# KiCad board Beacon_Multiboard_Stencil.kicad_pcb (continued)
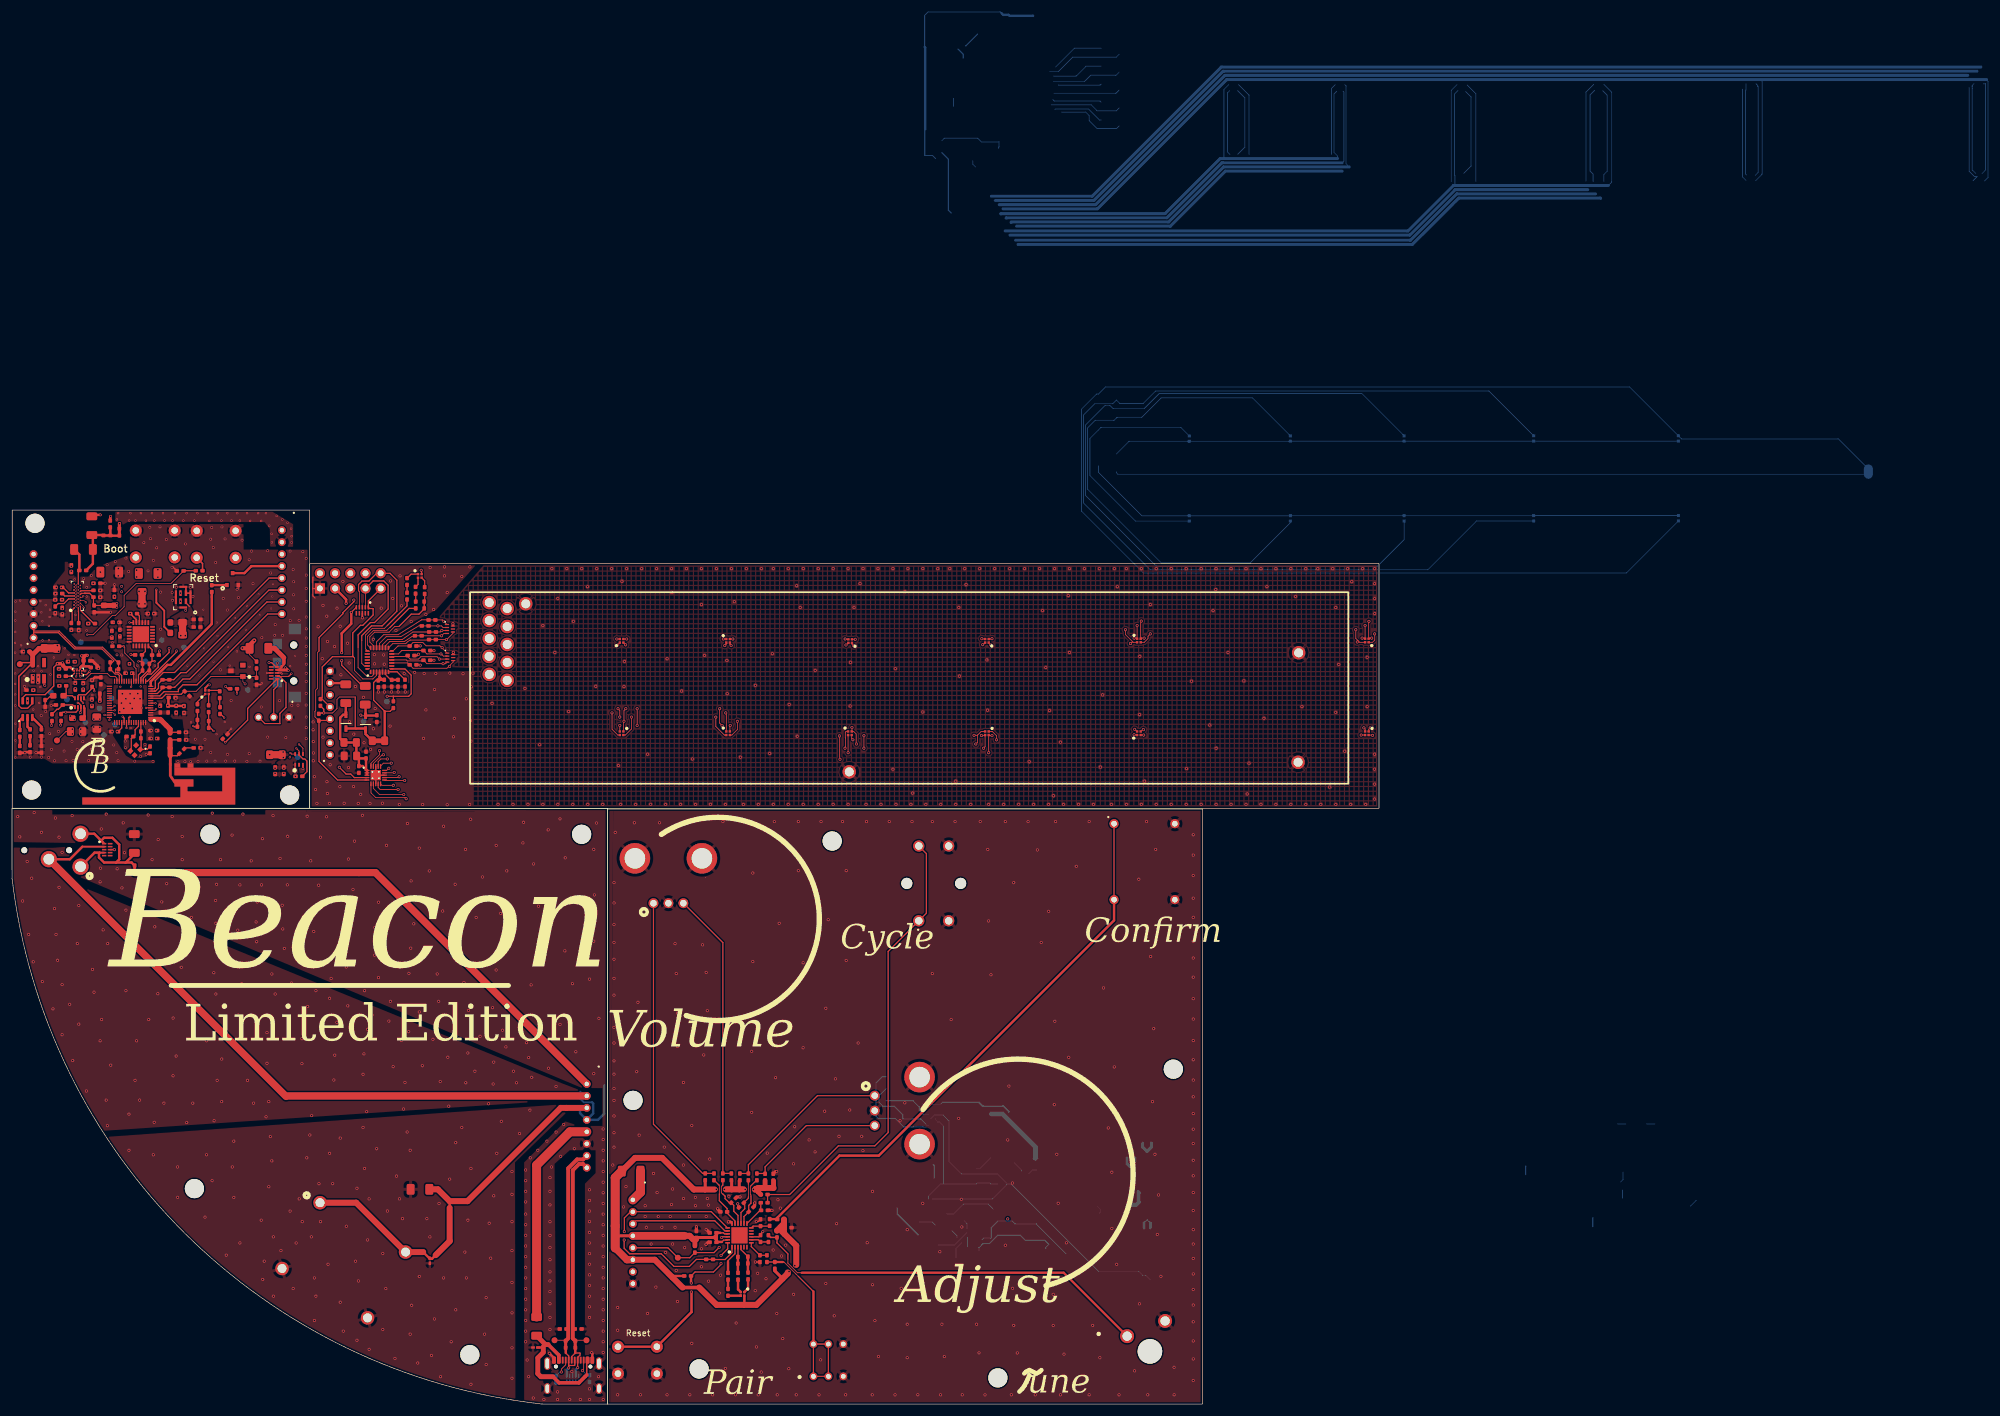
[diagram p0: board, top side]
## Routing (per net, layer and track width the routed paths; a pad name or vN(x,y) marks a point on that pad's centre or on a via; arc(x,y) is an arc through that point) (continued)
/Tactile_Board/+3V3_EXT: length 5.3
  Top w1.5: J104.1 105.04,35.39 F301.1
GND: length 381
  Top w0.13: 2.27,108.95 v2(2.16,108.85) 2.15,108.84 ; R508.1 36.02,112.25 v3(36.63,112.86) ; C610.2 13.59,148.6 ; 73.7,130.21 D416.7 ; v2(29.03,132.65) 29.03,132.71 ; C1406.1 121.14,34.61 ; v2(37.62,136.15) 37.82,136.36 Q1301.S ; 73.75,125.41 73.75,125.26 D418.7 ; v1(116,29.12) 116.1,29.12 ; 15.54,137.17 v2(15.57,137.19) ; v1(127.79,38.88) 127.63,38.88 ; 4.03,108.86 v2(4.01,108.87)
  Top w0.2: C406.1 67.65,123.49 v1(68.23,123.49) ; C533.1 2.08,119.66 v2(2.08,119.95) ; R503.1 7.26,116.75 v2(6.55,116.75) ; v1(124.23,23.74) 124.99,23.74 C1403.1 ; v2(22.43,108.57) 22.88,108.57 C710.1 ; J410.1 J410.2 5.75,117.66 6.46,118.37 R504.1 ; U401.EP 60.8,105.1 U401.8 ; U401.EP 60.8,105.11 U401.18 ; U401.EP 60.81,105.09 U401.13 ; U1501.9 124.82,27.95 C1404.1 125.1,28.41 v1(125.48,28.79) ; v3(42.65,122.19) D507.8 ; 50.28,136.32 50.28,138.18 50.3,138.2 ; 50.28,136.32 50.28,135.08 50.63,134.72 ; 50.28,136.32 50.3,136.3 51.47,136.3 ; C1407.1 121.29,33.05 v1(121.29,33.47) ; C413.1 67.6,126.71 v1(68.23,126.71) ; v3(45.09,122.06) 44.96,122.19 D507.3 ; C412.1 69.93,125.91 v1(70.53,125.91) ; R510.1 41.53,120.23 v3(41.76,120.46) ; v3(12.17,122.54) 11.65,122.54 PS502.D2 ; v1(124.39,30.5) 124.72,30.5 C1402.1 ; v1(117.94,32.66) 117.94,32.57 ; v2(18.92,110.8) 18.92,111.34 C711.1 ; 124.13,33.14 C1408.1 ; v1(70.53,124.31) C410.1
  Top w0.25: C801.1 26.94,139.84 v2(26.74,139.84) ; C411.1 67.72,125.09 v1(67.93,125.31) ; 29.86,135.54 29.84,135.52 MK1201.2 29.07,136.53 29.04,136.56 ; v2(48.62,106.18) 48.63,106.19 U1101.3 ; v1(58.56,131.41) D415.8 ; v1(17.12,92.65) D504.8 ; C601.1 17.12,136.06 v4(17.12,136.96) ; v2(19.76,132.1) 20.79,131.07 U1001.11
  Top w0.3: C612.2 15.54,137.17 ; 120.06,30.45 U1501.18 ; 116.33,27.04 C1501.1
  Top w0.4: C602.1 v2(16.47,132.33) ; J510.A1 90.59,7.7 v1(89.81,8.48) ; J502.2 4.92,110 R511.1 ; v2(16.48,148.34) 16.42,148.28 C609.2 ; v1(73.7,130.4) 73.7,130.21 ; 13.59,148.6 v2(14.76,148.6) ; J502.1 4.03,108.86 ; R516.1 2.15,108.84 ; R515.1 2.27,108.95 ; v1(96.87,8.58) 96.99,8.46 J510.A12 ; v1(73.75,125.63) 73.75,125.41 ; v2(13.39,121) 13.83,121.44 C708.1
  Top w0.5: C513.1 v2(14.43,122.92) 14.31,123.37 13.46,124.21 C506.1 ; v1(124.13,33.59) 124.13,33.14 ; 127.63,38.88 C301.1 ; v1(114.38,29.61) C1502.1 ; 117.94,32.57 C1405.1 ; C1401.1 v1(127,32.38) ; v1(115.99,26.7) 116.33,27.04 ; 121.14,34.61 v1(121.67,34.61) ; 116.1,29.12 C1503.1 ; v1(119.74,30.45) 120.06,30.45
  In2.Cu w0.09: 159.65,27.87 158.63,28.89 158.63,36.53 157.06,38.11 157.06,44.38 154.8,46.64
  In2.Cu w0.13: 160.56,32.53 160.56,35.02 161.22,35.68 161.22,36.39 161.78,36.95 163.08,36.95 163.36,37.23 173.52,37.23 178.16,32.58
  In2.Cu w0.2: 160,37.87 160.61,37.26 162.7,37.26 163.13,37.69 184.29,37.69 185.4,36.57
  In3.Cu w0.09: 154.19,37.79 154.1,37.7
  In3.Cu w0.13: 160.76,48.43 160.79,48.41 ; 163.16,55.08 169.66,55.08 168.16,53.58 168.16,44.7 164.85,41.4 164.85,29.02 164.85,29.01
  In3.Cu w0.2: 160.95,27.55 161.6,28.2 168.6,28.2 169.47,27.32 171.57,27.32 171.62,27.37 177.92,27.37
  In3.Cu w0.6: 160.82,48.84 159.37,48.84 158.28,47.75 158.28,46.81 157.49,46.02 157.49,40.23 155.05,37.79 ; 160.76,49.32 160.76,48.43
  In3.Cu w0.7: 162.59,34.95 162.59,34.39 162.06,33.85 158.12,33.85
  In3.Cu w0.8: 163.69,48.48 163.28,48.89 163.28,52.03 ; 163.69,48.48 161.09,45.89 161.09,45.36 ; 163.69,48.48 164.68,48.48 ; 161.09,45.36 160.42,45.36 159.95,45.83 159.95,47.23 159.6,47.58 ; 161.09,45.36 161.09,42.95 162.21,41.83 162.21,38.05 162.31,37.95 162.3,37.95 160.83,36.48 160.75,36.48 157.23,32.96 157.23,30.22 157.13,30.11
  In3.Cu w1: 155.05,37.79 154.19,37.79
  In4.Cu w0.15: 150.01,47.7 149.96,47.65 148.9,47.65 ; 151.85,47.7 151.9,47.65
  In4.Cu w0.2: 151.9,47.65 152.66,46.88 152.36,46.58 152.36,46.22 152.47,46.11 152.47,46.08 152.67,45.88 153.13,45.88 153.2,45.95 ; 148.9,47.65 148.85,47.7 ; 150.01,47.7 151.85,47.7
  In4.Cu w0.25: 147.84,50.69 146.97,50.69 ; 151.65,49.63 151.75,49.53 ; 146.82,49.68 146.31,49.68 146.26,49.73 145.55,49.73 144.94,50.34 144.94,51.56 145.45,52.07 ; 152.31,48.46 152.55,48.46 152.81,48.72
  In4.Cu w0.381: 147.07,47.7 144.89,47.7 144.33,48.26 144.33,53.64 145.04,54.35 ; 146.06,48.71 146.06,49.42 146.31,49.68 147.53,49.68 148.85,48.36 148.85,47.7
  In4.Cu w0.4: 151.65,49.63 150.58,50.69 147.84,50.69 146.82,49.68 ; 152.36,46.22 152.18,46.22 152.03,46.38 148.85,46.38 147.53,47.7 147.07,47.7 146.06,48.71 ; 151.75,49.53 151.75,49.02 152.31,48.46
  Bottom w0.13: 166.33,36.77 164.63,38.48 158.66,38.48 156.6,40.53 156.6,47.29 155.56,48.33 154.21,48.33 153.6,47.72 ; 166.33,36.77 166.96,36.77 181.62,22.12 188.32,22.12 188.98,21.46 189.52,21.46 190.2,20.77 ; 166.33,36.77 163.81,34.26 153.88,34.26
  Bottom w0.2: 170.66,41.07 170.71,41.02 171.05,41.02 171.11,41.07 171.42,41.07 ; 189.21,30.33 189.7,30.81 190.25,30.25
  Bottom w0.25: D505.3 93.71,5.29 v1(93.57,5.43)
  Bottom w0.3: 96.93,50.43 95.56,50.43 94.99,51
  Bottom w0.4: J105.4 97.13,48.56 97.13,50.24 96.93,50.43 ; J105.4 94.94,48.61 94.94,49.78 ; J105.4 97.94,47.49 98.95,48.51 98.95,53.28 ; 94.99,51 94.99,52.17
  Bottom w0.5: 189.21,29.43 189.21,30.33 ; 188.96,43.58 188.96,42.95 189.7,42.21 190.43,42.95 190.43,43.63 ; 186.37,41.14 186.37,40.14 186.8,39.71 187.66,40.58 187.66,41.14 ; 190.25,29.46 190.25,30.25
  Bottom w0.8: 171.05,41.02 171.05,42.95 165.51,48.48 163.69,48.48
  vias: v1(0.96,98.19) v1(1.32,94.79) v1(1.77,84.07) v1(2.54,90.67) v1(2.79,78.48) v1(3.3,87.88) v1(3.55,73.91) v1(3.7,98.85) v1(4.92,95.55) v1(5.08,70.61) v1(6.85,66.03) v1(7.11,82.8) v1(7.26,97.94) v1(7.36,78.48) v1(7.62,74.16) v1(7.87,94.74) v1(7.87,86.36) v1(8.38,92.2) v1(8.38,70.1) v1(8.38,61.72) v1(9.65,66.8) v1(10.05,98.34) v1(10.16,57.4) v1(10.92,76.96) v1(11.17,83.31) v1(11.17,63.5) v1(12.44,52.32) v1(13.46,72.64) v1(13.71,68.83) v1(14.73,87.27) v1(14.73,60.7) v1(14.78,89.56) v1(14.93,96.11) v1(14.98,64.26) v1(15.24,79.24) v1(15.74,98.6) v1(15.74,50.8) v1(16,76.96) v1(15.95,46.53) v1(16.51,56.64) v1(17.57,89.45) v1(18.39,86.25) v1(18.59,97.12) v1(18.79,92.15) v1(19.05,82.55) v1(19.05,73.66) v1(19.05,69.08) v1(19.55,48.46) v1(19.55,42.41) v1(20.57,54.1) v1(20.82,60.7) v1(21.33,50.8) v1(22.75,98.45) v1(22.86,64.26) v1(23.41,90.98) v1(23.62,41.65) v1(23.77,47.09) v1(23.87,79.75) v1(24.43,94.33) v1(24.38,68.58) v1(25.04,83.92) v1(25.4,50.29) v1(25.85,86.96) v1(26.77,98.19) v1(26.92,64.51) v1(26.92,54.86) v1(27.43,58.16) v1(27.68,39.62) v1(27.68,34.54) v1(28.29,72.99) v1(28.44,94.85) v1(28.44,90.98) v1(29.21,47.04) v1(29.46,76.96) v1(29.66,83.92) v1(29.97,81.33) v1(30.17,86.81) v1(30.22,50.29) v1(32.25,31.24) v1(32.51,60.7) v1(32.51,41.65) v1(33.47,98.75) v1(33.44,37.33) v1(33.73,72.08) v1(33.78,47.34) v1(34.03,84.17) v1(34.08,80.36) v1(34.08,68.52) v1(34.18,86.86) v1(34.29,54.1) v1(34.84,90.98) v1(35.05,57.65) v1(35.05,50.54) v1(35.81,24.89) v1(36.06,74.93) v1(36.77,95.09) v1(36.83,39.62) v1(37.08,43.94) v1(37.08,34.54) v1(37.69,83.97) v1(37.74,79.19) v1(37.79,65.02) v1(38.1,86.76) v1(38.1,26.92) v1(38.4,70.25) v1(38.6,98.6) v1(39.37,73.15) v1(39.37,54.1) v1(39.98,90.77) v1(40.38,50.29) v1(40.79,80.56) v1(40.89,77.26) v1(40.99,83.92) v1(41.7,86.76) v1(41.65,30.73) v1(41.85,94.48) v1(41.91,20.82) v1(42.16,23.87) v1(42.46,48) v1(42.62,62.07) v1(42.62,56.94) v1(42.92,50.54) v1(42.92,36.32) v1(43.18,44.7) v1(43.43,71.88) v1(43.43,40.64) v1(43.63,98.34) v1(43.68,27.94) v1(43.68,18.03) v1(43.99,68.52) v1(44.8,91.18) v1(44.95,25.65) v1(45.16,83.36) v1(45.26,79.4) v1(45.51,76.14) v1(46.02,86.76) v1(46.07,94.89) v1(46.48,32.25) v1(46.73,70.35) v1(46.99,19.3) v1(47.49,26.92) v1(48,34.28) v1(48.46,61.06) v1(48.46,56.89) v1(48.51,30.48) v1(49.32,98.24) v1(49.27,41.14) v1(49.42,66.44) v1(49.78,44.95) v1(49.93,90.77) v1(49.93,74.01) v1(50.08,48.2) v1(50.03,27.94) v1(50.33,114) v1(50.33,112.67) v1(50.35,110.72) v1(50.38,108.81) v1(50.35,107.49) v1(50.53,104.85) v1(50.44,78.99) v1(50.54,21.08) v1(50.54,13.97) v1(50.73,102.69) v1(50.8,69.08) v1(50.8,18.03) v1(50.96,100.38) v1(51.1,83.15) v1(51.17,129.9) v1(51.25,86.71) v1(51.3,36.83) v1(51.56,94.74) v1(51.56,30.48) v1(51.85,124.56) v1(51.98,133.48) v1(51.98,111.46) v1(52.61,131.67) v1(52.57,98.14) v1(52.71,127.46) v1(52.64,104.01) v1(52.71,102.03) v1(52.83,23.36) v1(53.07,100.38) v1(53.08,67.81) v1(53.08,41.91) v1(53.17,106.83) v1(53.34,71.12) v1(53.59,36.83) v1(53.79,54.15) v1(53.91,126.59) v1(53.95,58.31) v1(54.31,133.02) v1(54.3,63.8) v1(54.8,103.17) v1(54.85,130) v1(54.86,44.45) v1(54.86,17.01) v1(54.98,121.87) v1(55.31,137.49) v1(55.37,76.96) v1(55.37,12.19) v1(55.51,100.41) v1(55.88,73.05) v1(55.88,29.71) v1(56.07,127.15) v1(56.13,66.54) v1(56.23,91.08) v1(56.18,82.85) v1(56.25,106.38) v1(56.35,123.85) v1(56.4,114.02) v1(56.99,86) v1(57.08,103.2) v1(57.13,111.96) v1(57.25,94.08) v1(57.39,119.91) v1(57.4,23.87) v1(57.65,36.06) v1(57.65,10.66) v1(57.87,100.38) v1(57.91,20.57) v1(58.28,101.9) v1(58.57,98.39) v1(58.67,55.11) v1(58.67,46.22) v1(58.73,118.11) v1(58.82,58.52) v1(58.84,110.52) v1(58.92,69.08) v1(58.92,39.37) v1(59.28,48.86) v1(59.43,62.63) v1(59.43,27.43) v1(59.69,34.28) v1(59.69,9.14) v1(59.83,100.38) v1(59.93,109.41) v1(60.19,65.02) v1(60.39,127.81) v1(60.39,112.85) v1(60.56,125.25) v1(60.59,123.7) v1(60.6,75.03) v1(60.69,116.23) v1(60.65,79.65) v1(60.96,42.67) v1(61.23,119.01) v1(61.26,83.87) v1(61.26,71.27) v1(61.71,133.02) v1(61.91,100.41) v1(61.97,25.14) v1(61.97,12.44) v1(62.11,125.2) v1(62.21,123.65) v1(62.23,119.01) v1(62.48,19.3) v1(62.58,93.37) v1(62.73,32.25) v1(62.99,64) v1(63.18,113.31) v1(63.28,137.57) v1(63.24,67.31) v1(63.43,119.01) v1(63.64,134.65) v1(63.7,56.38) v1(64,7.62) v1(64.17,129.29) v1(64.26,38.09) v1(64.53,119.01) v1(64.73,100.21) v1(64.77,34.28) v1(64.86,138.4) v1(65.08,133.4) v1(65.07,60.75) v1(65.27,30.98) v1(65.43,49.3) v1(65.54,122.07) v1(65.73,119.01) v1(65.68,53.74) v1(66.09,97.02) v1(66.04,45.46) v1(66.29,62.23) v1(66.34,71.98) v1(66.54,42.41) v1(66.54,11.68) v1(66.71,130.78) v1(66.7,87.42) v1(66.65,76.2) v1(66.8,16.5) v1(67.15,80.26) v1(67.29,122.28) v1(67.81,6.85) v1(68.07,92.91) v1(68.07,65.53) v1(68.07,21.33) v1(68.63,100.21) v1(68.58,56.54) v1(68.78,111.26) v1(68.88,122.11) v1(69.17,131.98) v1(69.18,116.01) v1(69.34,30.98) v1(69.74,89.1) v1(69.88,139.81) v1(69.85,27.94) v1(70.1,8.12) v1(70.35,60.96) v1(70.47,132.79) v1(70.63,119.41) v1(70.61,14.22) v1(70.83,122.11) v1(71.06,71.88) v1(71.32,67.31) v1(71.37,33.52) v1(71.57,53.89) v1(71.62,4.57) v1(71.98,82.39) v1(72.13,96.57) v1(72.13,21.08) v1(72.28,139.91) v1(72.28,138.41) v1(72.73,135.61) v1(72.73,100.16) v1(72.84,57.96) v1(73,49.78) v1(73.18,122.16) v1(73.15,37.59) v1(73.4,10.41) v1(73.78,111.51) v1(73.93,114.61) v1(73.91,62.99) v1(74.06,86.86) v1(74.16,43.68) v1(74.16,15.74) v1(75.18,138.31) v1(75.18,46.22) v1(75.38,122.06) v1(75.54,70.45) v1(75.69,25.4) v1(75.79,92.71) v1(75.93,117.86) v1(75.84,53.69) v1(75.94,21.08) v1(76.2,58.67) v1(76.2,30.73) v1(76.3,65.78) v1(76.53,139.91) v1(76.48,100.21) v1(76.64,114.22) v1(76.69,110.79) v1(76.65,97.73) v1(76.7,39.37) v1(76.7,3.3) v1(76.77,119.86) v1(77.03,122.16) v1(77.36,55.62) v1(77.57,81.33) v1(78.23,61.46) v1(78.63,88.08) v1(78.99,11.68) v1(79.24,17.78) v1(79.24,6.6) v1(79.65,50.19) v1(79.75,30.22) v1(80.01,24.38) v1(80.23,117.11) v1(80.31,66.24) v1(80.41,53.49) v1(80.51,57.15) v1(80.51,34.79) v1(80.92,93.37) v1(80.92,72.54) v1(81.02,41.91) v1(81.23,100.21) v1(81.68,81.99) v1(81.78,47.24) v1(81.99,62.48) v1(82.55,59.69) v1(82.7,89.1) v1(83.56,38.86) v1(83.56,35.05) v1(83.56,30.48) v1(83.56,25.65) v1(83.56,20.31) v1(83.56,15.24) v1(83.56,9.39) v1(83.56,4.31) v1(83.73,100.21) v1(83.82,55.62) v1(84.32,53.69) v1(84.83,45.21) v1(85.39,93.77) v1(85.49,97.23) v1(85.73,119.61) v1(85.85,39.11) v1(85.85,37.33) v1(85.85,35.56) v1(85.85,33.78) v1(85.85,31.75) v1(85.85,29.97) v1(85.85,28.19) v1(85.85,26.41) v1(85.85,24.63) v1(85.85,22.86) v1(85.85,21.08) v1(85.85,19.3) v1(85.85,17.52) v1(85.85,15.74) v1(85.85,13.97) v1(85.85,12.19) v1(85.85,10.41) v1(86,60.4) v1(86.1,7.36) v1(86.23,100.22) v1(86.36,57.91) v1(86.36,4.57) v1(86.56,49.12) v1(86.61,41.14) v1(86.76,70.05) v1(86.86,54.61) v1(87.12,1.01) v1(87.17,90.27) v1(87.47,74.57) v1(87.88,42.41) v1(87.98,83.21) v1(88.18,110.21) v1(88.73,130.11) v1(88.73,100.21) v1(88.9,0.76) v1(89.4,43.94) v1(89.61,95.96) v1(89.66,56.13) v1(89.91,37.84) v1(89.91,35.56) v1(89.91,33.27) v1(89.91,30.48) v1(89.91,28.19) v1(89.91,26.16) v1(89.91,24.12) v1(89.91,22.09) v1(89.91,20.57) v1(89.91,18.79) v1(89.91,16.76) v1(89.91,14.47) v1(89.91,12.44) v1(90.23,139.61) v1(90.17,39.62) v1(90.73,125.61) v1(90.93,53.08) v1(90.93,45.46) v1(91.23,134.61) v1(91.23,100.21) v1(91.18,2.03) v1(91.18,0.76) v1(91.59,97.78) v1(91.59,63.44) v1(91.69,41.4) v1(91.94,83.36) v1(92.2,46.73) v1(92.4,75.74) v1(92.45,91.28) v1(92.73,139.62) v1(93.02,115.75) v1(93.21,0.76) v1(93.73,100.21) v1(93.67,70.25) v1(93.81,130.81) v1(93.98,42.67) v1(94.23,58.87) v1(94.99,0.76) v1(95.23,139.61) v1(96.2,136.6) v1(96.23,100.22) v1(96.52,71.01) v1(96.52,35.81) v1(96.52,34.03) v1(96.52,32.25) v1(96.52,30.48) v1(96.52,28.7) v1(96.52,26.92) v1(96.52,25.14) v1(96.52,23.36) v1(96.52,21.59) v1(96.52,19.81) v1(96.52,18.03) v1(96.52,16.25) v1(96.52,14.47) v1(96.52,2.54) v1(96.52,0.76) v1(97.23,92.71) v1(97.23,77.36) v1(97.23,55.21) v1(97.33,85.09) v1(97.58,119.96) v1(97.73,139.61) v1(97.69,97.1) v1(98.09,64.46) v1(98.04,4.57) v1(98.73,100.21) v1(98.8,45.97) v1(98.8,44.19) v1(98.8,42.41) v1(98.8,40.64) v1(98.8,38.86) v1(98.8,37.08) v1(98.8,35.3) v1(98.8,33.52) v1(98.8,31.75) v1(98.8,29.97) v1(98.8,28.19) v1(98.8,26.41) v1(98.8,24.63) v1(98.8,22.86) v1(98.8,21.08) v1(98.8,19.3) v1(98.8,17.52) v1(98.8,15.74) v1(98.8,13.97) v1(98.8,12.19) v1(98.8,10.41) v1(98.8,8.63) v1(98.8,0.76) v1(100.23,139.61) v1(100.41,39.94) v1(100.61,87.14) v1(100.61,83.74) v1(100.61,80.14) v1(100.61,77.14) v1(100.61,74.34) v1(100.61,71.14) v1(100.61,68.34) v1(100.61,65.54) v1(100.61,62.94) v1(100.61,60.34) v1(100.61,57.34) v1(100.61,55.14) v1(100.61,52.74) v1(100.61,50.74) v1(100.61,48.14) v1(100.61,45.34) v1(100.61,42.94) v1(100.81,95.54) v1(101.22,16.15) v1(101.22,12.34) v1(101.22,1.54) v1(101.33,106.71) v1(101.73,100.21) v1(101.94,137.52) v1(102.21,32.94) v1(102.28,119.91) v1(102.38,124.11) v1(102.61,36.34) v1(102.73,139.62) v1(104.01,97.14) v1(104.23,100.21) v1(104.41,55.54) v1(104.61,67.14) v1(104.81,44.94) v1(105.03,1.54) v1(105.23,139.61) v1(105.81,33.14) v1(105.81,31.34) v1(106.01,29.54) v1(106.23,108.61) v1(106.21,15.14) v1(106.73,100.22) v1(106.81,26.74) v1(107.21,38.54) v1(107.61,19.54) v1(107.73,139.61) v1(107.81,35.34) v1(108.01,31.34) v1(108.21,97.14) v1(108.61,29.54) v1(109.01,42.94) v1(109.23,100.21) v1(109.21,25.34) v1(109.48,124.56) v1(109.48,1.54) v1(110.01,31.34) v1(110.23,139.61) v1(110.21,33.34) v1(110.28,135.66) v1(110.41,35.94) v1(110.41,26.74) v1(110.81,76.94) v1(110.81,29.54) v1(111.01,71.94) v1(111.01,22.34) v1(111.21,65.34) v1(111.21,59.74) v1(111.21,17.14) v1(111.73,100.21) v1(111.93,119.16) v1(112.21,53.74) v1(112.21,39.94) v1(112.21,34.34) v1(112.41,26.14) v1(112.73,139.62) v1(112.81,97.14) v1(113.21,31.34) v1(113.29,1.54) v1(113.61,46.54) v1(113.61,10.14) v1(113.73,107.81) v1(114.23,100.21) v1(114.21,34.54) v1(114.21,33.14) v1(115.23,139.61) v1(115.23,133.61) v1(115.21,25.94) v1(115.21,22.94) v1(115.41,76.74) v1(115.61,58.34) v1(115.73,125.11) v1(116.01,72.14) v1(116.01,31.34) v1(116.21,65.74) v1(116.21,34.34) v1(116.37,33.24) v1(116.41,20.54) v1(116.61,40.94) v1(116.73,100.22) v1(117.1,1.54) v1(117.73,139.61) v1(118.21,18.54) v1(118.41,21.54) v1(118.81,97.34) v1(119.23,100.21) v1(119.21,5.94) v1(119.48,124.26) v1(119.53,118.71) v1(119.81,34.74) v1(120.23,139.61) v1(120.73,134.11) v1(120.91,1.54) v1(121.01,13.54) v1(121.73,108.11) v1(122.23,100.21) v1(122.73,139.62) v1(123.21,97.34) v1(123.61,58.94) v1(123.61,48.74) v1(123.81,88.74) v1(123.81,73.94) v1(124.23,120.11) v1(124.21,18.94) v1(124.41,9.54) v1(124.61,21.84) v1(124.73,100.21) v1(124.72,1.54) v1(125.23,139.61) v1(125.21,5.34) v1(126.01,20.94) v1(126.21,41.94) v1(126.64,108.74) v1(127.08,125.41) v1(127.23,139.61) v1(127.23,100.22) v1(127.21,25.74) v1(127.41,97.34) v1(127.41,66.74) v1(127.61,54.54) v1(127.81,15.14) v1(127.89,1.54) v1(128.01,34.14) v1(128.21,80.34) v1(128.41,32.74) v1(128.61,24.74) v1(128.81,10.94) v1(129.31,26.56) v1(129.73,139.61) v1(129.73,100.21) v1(129.83,5.9) v1(129.88,116.91) v1(130.61,40.14) v1(130.61,18.34) v1(130.81,46.34) v1(131.07,1.54) v1(131.15,136.75) v1(131.23,111.61) v1(131.41,97.34) v1(131.41,89.14) v1(131.73,133.11) v1(132.23,139.62) v1(132.23,100.21) v1(132.21,73.74) v1(132.21,59.54) v1(133.21,44.14) v1(134.23,122.61) v1(134.21,42.14) v1(134.73,139.61) v1(134.73,100.21) v1(134.88,1.54) v1(135.21,97.34) v1(135.15,7.38) v1(135.81,48.94) v1(136.01,66.14) v1(136.01,20.14) v1(136.41,80.94) v1(137.23,139.61) v1(137.23,100.22) v1(137.41,14.74) v1(137.61,54.34) v1(137.81,30.14) v1(138.21,44.74) v1(138.81,97.34) v1(139.32,1.54) v1(139.41,89.14) v1(139.41,74.14) v1(139.73,139.61) v1(139.73,100.21) v1(140.01,49.14) v1(140.13,123.96) v1(140.08,116.66) v1(140.73,133.11) v1(141.41,60.34) v1(141.73,137.11) v1(142.01,44.74) v1(142.23,139.62) v1(142.21,42.34) v1(142.73,100.21) v1(142.81,97.34) v1(142.92,26.96) v1(143.81,35.54) v1(143.81,19.94) v1(143.77,1.54) v1(144.21,13.94) v1(144.73,139.61) v1(144.81,7.94) v1(145.23,100.21) v1(146.61,97.34) v1(147.23,139.61) v1(147.23,106.11) v1(147.63,122.91) v1(147.58,1.54) v1(147.73,100.22) v1(148.41,47.34) v1(148.61,19.34) v1(149.23,135.81) v1(149.21,50.34) v1(149.61,29.14) v1(149.61,13.34) v1(149.61,7.74) v1(149.73,139.61) v1(150.23,100.21) v1(150.41,97.34) v1(150.53,102.11) v1(151.39,1.54) v1(152.23,139.62) v1(152.23,115.66) v1(152.21,33.54) v1(152.73,100.21) v1(153.81,97.34) v1(153.81,71.94) v1(154.61,19.34) v1(154.73,139.61) v1(155.07,25.45) v1(155.23,100.21) v1(155.2,1.54) v1(155.41,13.34) v1(155.81,7.94) v1(156.73,139.61) v1(156.95,64.25) v1(157.61,97.34) v1(157.73,104.11) v1(157.73,100.22) v1(158.23,133.11) v1(158.21,47.74) v1(158.33,121.66) v1(158.65,34.21) v1(158.74,29.6) v1(158.81,1.54) v1(159.23,139.61) v1(159.45,136.93) v1(160.23,100.21) v1(160.81,19.34) v1(161.21,13.34) v1(161.61,8.54) v1(161.73,139.62) v1(161.81,97.34) v1(162.61,1.54) v1(162.93,124.36) v1(163.03,115.96) v1(163.07,92.7) v1(163.23,100.21) v1(163.21,80.74) v1(163.61,71.74) v1(164.23,139.61) v1(165.73,100.21) v1(166.01,97.34) v1(166.01,26.54) v1(166.41,44.14) v1(166.61,53.14) v1(166.73,139.61) v1(167.01,1.54) v1(167.21,36.94) v1(167.21,19.34) v1(167.41,87.14) v1(167.41,13.14) v1(168.01,8.54) v1(168.23,100.22) v1(169.23,139.61) v1(169.81,97.34) v1(169.99,107.34) v1(170.73,100.21) v1(171.01,1.54) v1(171.36,92.6) v1(171.73,139.62) v1(172.01,77.14) v1(172.23,132.61) v1(172.78,123.11) v1(173.23,100.21) v1(173.25,82.34) v1(173.38,115.91) v1(174.03,101.66) v1(174.01,18.34) v1(174.01,13.14) v1(174.23,139.61) v1(174.19,50.03) v1(174.28,63.97) v1(174.41,97.34) v1(174.61,41.74) v1(174.85,33.55) v1(175.23,110.61) v1(175.21,1.54) v1(175.73,100.21) v1(175.81,8.34) v1(176.21,26.94) v1(176.51,135.1) v1(176.61,57.94) v1(176.73,139.61) v1(176.73,125.61) v1(177.86,89.87) v1(178.23,100.22) v1(179.23,139.61) v1(180.01,97.34) v1(180.01,1.54) v1(180.61,13.14) v1(180.73,100.21) v1(181.73,139.62) v1(181.81,7.74) v1(181.87,106.45) v1(182.28,118.52) v1(182.41,69.54) v1(183.21,46.14) v1(183.73,100.21) v1(183.81,38.74) v1(183.81,29.34) v1(184.23,139.61) v1(184.21,56.34) v1(184.61,23.34) v1(184.73,136.61) v1(185.01,1.54) v1(186.23,139.61) v1(186.23,100.21) v1(187.61,5.54) v1(188.31,87.7) v1(188.43,115.21) v1(188.41,16.74) v1(188.48,124.96) v1(188.73,139.61) v1(188.73,100.22) v1(189.23,104.11) v1(189.61,97.34) v1(189.81,1.54) v1(190.23,133.61) v1(190.29,74.8) v1(190.61,50.54) v1(190.81,62.74) v1(191.01,41.74) v1(191.23,139.61) v1(191.23,100.21) v1(191.14,92.7) v1(191.41,28.34) v1(191.61,34.94) v1(192.01,21.34) v1(193.73,139.62) v1(193.73,100.21) v1(194.21,6.14) v1(194.21,1.54) v1(196.23,139.61) v1(196.23,100.21) v1(196.3,106.2) v1(197.11,120.8) v1(197.41,95.14) v1(197.41,91.74) v1(197.41,88.34) v1(197.41,84.54) v1(197.41,81.34) v1(197.41,77.34) v1(197.41,74.54) v1(197.41,71.34) v1(197.41,67.74) v1(197.41,64.34) v1(197.41,60.74) v1(197.41,57.54) v1(197.41,54.14) v1(197.41,51.34) v1(197.41,48.54) v1(197.41,45.94) v1(197.41,43.54) v1(197.41,40.74) v1(197.41,38.14) v1(197.41,35.34) v1(197.41,32.34) v1(197.41,29.14) v1(197.41,26.74) v1(197.41,24.34) v1(197.41,21.74) v1(197.41,19.14) v1(197.41,16.54) v1(197.41,13.74) v1(197.41,10.54) v1(197.41,7.54) v1(197.41,3.94) v1(198.73,139.61) v1(198.73,100.22) v1(200.18,113.47) v1(200.73,132.61) v1(201.23,139.61) v1(201.18,136.11) v1(201.23,109.61) v1(201.23,100.21) v1(203.23,125.61) v1(203.73,139.62) v1(203.73,100.21) v1(205.88,120.86) v1(206.23,139.61) v1(206.23,100.21) v1(206.43,101.96) v1(206.73,107.11) v1(208.73,139.61) v1(208.73,100.22) v1(209.23,114.61) v1(209.73,136.61) v1(211.23,139.61) v1(211.23,100.21) v1(213.73,139.62) v1(213.73,100.21) v1(214.51,134.98) v1(215.58,116.56) v1(216.23,139.61) v1(216.23,100.21) v1(218.23,139.61) v1(218.73,100.22) v1(220.23,103.11) v1(220.73,139.61) v1(221.23,133.11) v1(221.23,115.61) v1(221.23,100.21) v1(221.73,123.61) v1(222.73,109.11) v1(223.23,139.62) v1(223.73,100.21) v1(223.91,137.44) v1(225.73,139.61) v1(226.23,100.21) v1(226.48,124.81) v1(226.48,116.56) v1(227.73,139.61) v1(227.72,137.11) v1(227.73,134.61) v1(227.73,132.11) v1(227.73,108.61) v1(227.72,106.11) v1(227.73,103.61) v1(227.73,101.11) v2(1.96,125.73) v2(3.05,108.11) v2(4.32,120.62) v2(4.37,121.51) v2(4.89,115.07) v2(4.93,108.11) v2(5.63,115.73) v2(6.12,108.06) v2(6.31,112.03) v2(6.61,109.4) v2(7.11,107.5) v2(7.21,134.37) v2(7.26,135.44) v2(7.24,132.22) v2(7.42,136.48) v2(7.78,112.43) v2(7.85,122.82) v2(8.41,132.09) v2(8.71,109.13) v2(9.04,107.5) v2(9.45,124.11) v2(9.91,140.01) v2(9.91,129.32) v2(10.03,110.73) v2(10.21,107.55) v2(10.57,120.42) v2(10.9,109.38) v2(11.18,129.32) v2(11.48,112.8) v2(11.48,111.98) v2(11.89,120.37) v2(11.85,110.7) v2(11.99,137.93) v2(12.5,136.51) v2(12.8,107.55) v2(13.26,138.49) v2(13.26,109.43) v2(13.36,117.62) v2(13.66,113.15) v2(13.79,110.84) v2(14.68,113.1) v2(14.75,135.99) v2(14.75,134.85) v2(15.29,108.8) v2(15.44,107.5) v2(15.9,140.27) v2(16.74,112.39) v2(17.02,110.14) v2(17.27,140.78) v2(17.53,108.87) v2(17.73,107.5) v2(17.78,139.63) v2(17.75,138.41) v2(18.01,115.68) v2(18.29,117.15) v2(18.36,125.18) v2(18.44,118.7) v2(18.69,116.26) v2(19.02,117.86) v2(18.95,109.69) v2(19.05,141.38) v2(19.13,122.14) v2(19.49,139.14) v2(19.74,118.7) v2(19.74,117.1) v2(20.09,116.24) v2(20.42,117.92) v2(20.52,107.45) v2(21.03,118.73) v2(21.41,117.86) v2(21.51,108.24) v2(22.04,143.94) v2(22.22,110.22) v2(22.74,139.24) v2(23.04,146.54) v2(23.16,144.64) v2(23.57,107.4) v2(23.64,140.99) v2(23.7,132.09) v2(24.09,112.56) v2(24.12,111.23) v2(24.19,143.09) v2(24.69,116.59) v2(24.74,146.59) v2(24.84,135.7) v2(24.84,129.5) v2(25.81,144.48) v2(26.77,135.62) v2(26.85,134.32) v2(27.38,117.97) v2(27.48,136.51) v2(27.44,115.54) v2(27.74,107.35) v2(28.75,115.51) v2(28.9,107.35) v2(28.99,143.74) v2(29.07,112.26) v2(29.14,110.98) v2(29.79,136.51) v2(29.87,107.35) v2(30.25,134.98) v2(30.63,111.11) v2(31.09,107.4) v2(31.54,109.66) v2(32.26,111.11) v2(32.56,107.45) v2(33.22,144.53) v2(33.22,108.9) v2(33.39,146.49) v2(33.64,143.14) v2(33.93,107.45) v2(34.04,140.64) v2(34.85,122.69) v2(35.09,146.59) v2(35.31,134.63) v2(35.61,144.59) v2(35.71,107.45) v2(36.02,132.7) v2(36.02,108.57) v2(36.63,117.56) v2(37.24,107.45) v2(37.85,134.78) v2(38.46,144.38) v2(39.27,107.4) v2(39.64,141.09) v2(39.65,108.7) v2(40.03,142.55) v2(40.28,137.12) v2(41.45,107.45) v2(41.66,116.49) v2(41.76,128.08) v2(42.72,142.6) v2(42.72,111.46) v2(43.24,138.89) v2(43.92,128.48) v2(43.99,130.26) v2(43.97,105.42) v2(44.7,117.56) v2(45.21,128.48) v2(45.44,105.42) v2(45.77,111.36) v2(46.48,142.55) v2(46.51,130.92) v2(46.76,116.77) v2(46.99,139.45) v2(47.09,137.42) v2(47.04,135.24) v2(47.09,132.9) v2(47.8,116.8) v2(47.98,130.97) v2(48.62,142.45) v2(49.17,141.33) v2(49.17,138.54) v2(49.17,136.3) v2(49.17,134.17) v2(49.17,131.53) v2(49.17,129.55) v2(49.17,128.02) v2(49.17,126.6) v2(49.17,125.13) v2(49.17,123.66) v2(49.17,122.13) v2(49.17,120.76) v2(49.17,118.78) v2(49.16,116.82) v2(49.17,114.82) v2(49.17,113.04) v2(49.17,111.21) v3(0.52,127.21) v3(0.52,125.59) v3(0.61,134.12) v3(0.56,132.42) v3(0.56,130.95) v3(0.55,129.04) v3(0.53,122.11) v3(0.53,120.35) v3(0.53,118.6) v3(0.56,116.75) v3(0.56,113.7) v3(0.56,110.9) v3(0.56,108.06) v3(1.37,134.27) v3(1.52,126.81) v3(2.08,121.67) v3(3.61,122.56) v3(3.56,116.09) v3(4.37,123.33) v3(4.55,117.18) v3(4.75,134.2) v3(4.75,119.85) v3(4.9,132.32) v3(4.93,122.46) v3(5.08,130.82) v3(5.12,127.62) v3(5.64,133.51) v3(6.17,130.06) v3(6.18,127.67) v3(6.3,131.53) v3(6.35,132.75) v3(6.44,121.93) v3(7.01,124.77) v3(8.83,126.3) v3(9.45,125.21) v3(10.46,137.83) v3(10.44,125.18) v3(10.62,131.89) v3(12.5,134.96) v3(12.47,129.29) v3(13.44,118.5) v3(16.69,128.27) v3(17.04,130.65) v3(18.03,128.47) v3(19.84,112.98) v3(20.95,123.4) v3(21.69,116.34) v3(23.88,123.4) v3(29.92,113.93) v3(34.19,111.96) v3(35.57,114.01) v3(36.39,123.39) v3(37.59,125.79) v3(39.69,123.19) v3(46.43,108.09) v3(46.48,123.33) v4(17.54,147.84) v4(17.74,148.89) v4(19.59,147.64) v4(19.79,148.89) v4(20.64,147.64) v4(21.54,148.89) v4(22.39,147.64) v4(23.39,148.89) v4(23.79,147.64) v4(25.24,148.89) v4(25.49,147.64) v4(26.84,147.64) v4(27.24,148.89) v4(28.64,147.64) v4(29.19,148.89) v4(30.49,147.64) v4(30.99,148.89) 